# Altium PCB MB1019.PcbDoc (part 1 of 4) (continued)
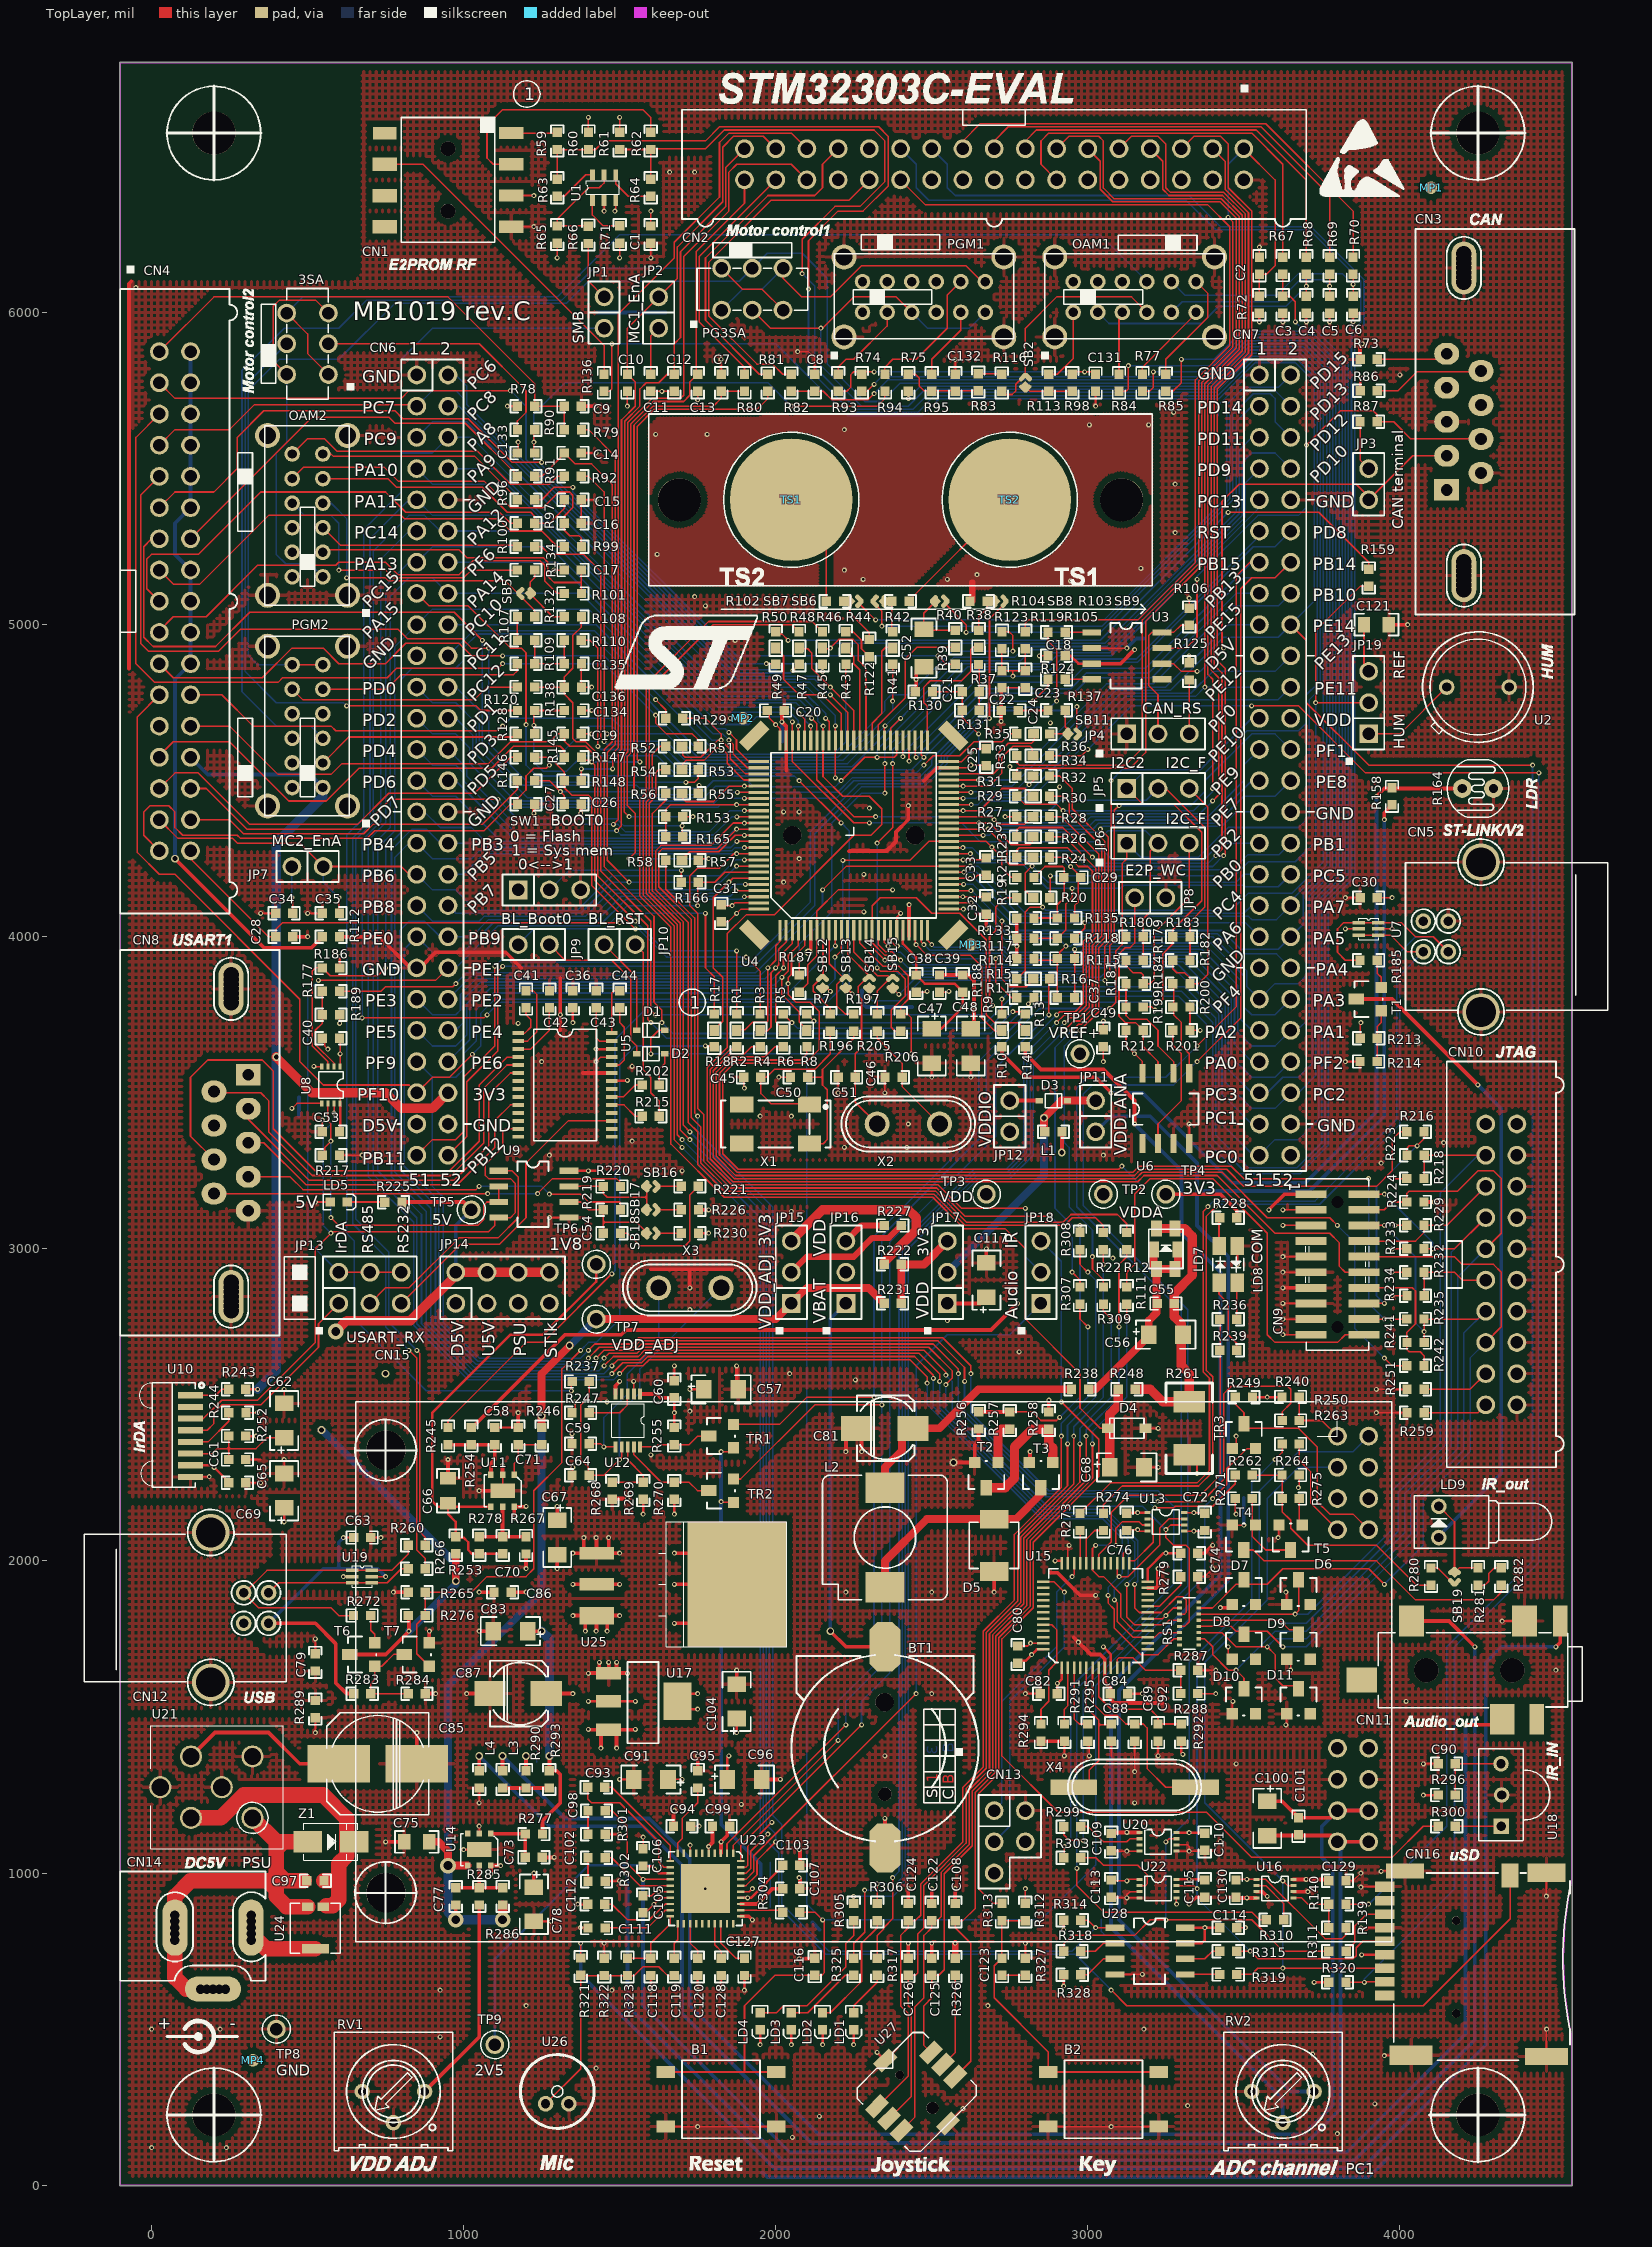
[diagram p0: TopLayer view]
## Components (designator, comment, footprint, x,y, rotation, side; value= is the part's Value field where it differs from the comment) (continued)
R11 "0" 0603R#1 2800,3805 r180 top
R12 "0" 0603R#1 3125,3025 r90 top
R13 "[N/A]" 0603R#1 2800,3725 r90 top
R14 "0" 0603R#1 2800,3675 r270 top
R15 "[N/A]" 0603R#1 2800,3865 r0 top
R16 "0" 0603R#1 2850,3865 r180 top
R17 "[N/A]" 0603R#1 1803,3725 r270 top
R18 "0" 0603R#1 1803,3675 r90 top
R19 "[N/A]" 0603R#1 2800,4125 r0 top
R20 "0" 0603R#1 2850,4125 r180 top
R21 "[N/A]" 0603R#1 2800,4190 r180 top
R22 "0" 0603R#1 3050,3025 r90 top
R23 "[N/A]" 0603R#1 2800,4255 r180 top
R24 "0" 0603R#1 2850,4255 r0 top
R25 "[N/A]" 0603R#1 2800,4320 r180 top
R26 "0" 0603R#1 2850,4320 r0 top
R27 "[N/A]" 0603R#1 2800,4385 r180 top
R28 "0" 0603R#1 2850,4385 r0 top
R29 "[N/A]" 0603R#1 2800,4450 r180 top
R30 "0" 0603R#1 2850,4450 r0 top
R31 "[N/A]" 0603R#1 2800,4515 r180 top
R32 "0" 0603R#1 2850,4515 r0 top
R33 "[N/A]" 0603R#1 2800,4580 r180 top
R34 "0" 0603R#1 2850,4580 r0 top
R35 "[N/A]" 0603R#1 2800.5,4650 r0 top
R36 "0" 0603R#1 2850,4650 r180 top
R37 "[N/A]" 0603R#1 2650,4900 r90 top
R38 "0" 0603R#1 2650,4955 r270 top
R39 "[N/A]" 0603R#1 2575,4900 r270 top
R40 "0" 0603R#1 2575,4955 r90 top
R41 "[N/A]" 0603R#1 2375,4900 r270 top
R42 "0" 0603R#1 2375,4950 r90 top
R43 "[N/A]" 0603R#1 2225,4900 r270 top
R44 "0" 0603R#1 2225,4950 r90 top
R45 "[N/A]" 0603R#1 2150,4900 r270 top
R46 "0" 0603R#1 2150,4950 r90 top
R47 "[N/A]" 0603R#1 2075,4900 r270 top
R48 "0" 0603R#1 2075,4950 r90 top
R49 "[N/A]" 0603R#1 2000,4900 r270 top
R50 "0" 0603R#1 2000,4950 r90 top
R51 "[N/A]" 0603R#1 1725,4610 r0 top
R52 "0" 0603R#1 1675,4610 r180 top
R53 "[N/A]" 0603R#1 1725,4535 r0 top
R54 "0" 0603R#1 1675,4535 r180 top
R55 "[N/A]" 0603R#1 1725,4460 r0 top
R56 "0" 0603R#1 1675,4460 r180 top
R57 "[N/A]" 0603R#1 1725,4245 r0 top
R58 "0" 0603R#1 1675,4245 r180 top
R59 "0" 0603R#1 1300,6550 r270 top
R60 "4K7" 0603R#1 1400,6550 r270 top
R61 "4K7" 0603R#1 1500,6550 r270 top
R62 "0" 0603R#1 1600,6550 r270 top
R63 "0" 0603R#1 1300,6400 r90 top
R64 "0" 0603R#1 1600,6400 r90 top
R65 "4K7" 0603R#1 1300,6250 r90 top
R66 "0" 0603R#1 1399,6249 r90 top
R67 "0" 0603R#1 3625,6150 r270 top
R68 "0" 0603R#1 3700,6150 r90 top
R69 "0" 0603R#1 3775,6150 r90 top
R70 "0" 0603R#1 3850,6150 r90 top
R71 "7K5[5%]" 0603R#1 1500,6250 r270 top
R72 "3.3K" 0603R#1 3550,6025 r90 top
R73 "0" 0603R#1 3900,5850 r180 top
R74 "0" 0603R#1 2275,5775 r270 top
R75 "0" 0603R#1 2425,5775 r270 top
R77 "0" 0603R#1 3175,5775 r270 top
R78 "3.3K" 0603R#1 1200,5700 r0 top
R79 "0" 0603R#1 1350,5625 r180 top
R80 "0" 0603R#1 1900,5775 r270 top
R81 "0" 0603R#1 1975,5775 r90 top
R82 "0" 0603R#1 2050,5775 r90 top
R83 "4.99K[1%]" 0603R#1 2649,5777 r90 top
R84 "0" 0603R#1 3100,5775 r270 top
R85 "0" 0603R#1 3250,5775 r90 top
R86 "[N/A]" 0603R#1 3900,5750 r180 top
R87 "120" 0603R#1 3900,5650 r0 top
R90 "4.99K[1%]" 0603R#1 1200,5625 r180 top
R91 "0" 0603R#1 1200,5475 r0 top
R92 "0" 0603R#1 1350,5475 r0 top
R93 "13K[1%]" 0603R#1 2200,5775 r270 top
R94 "13K[1%]" 0603R#1 2350,5775 r270 top
R95 "13K[1%]" 0603R#1 2500,5775 r270 top
R96 "0" 0603R#1 1200,5400 r0 top
R97 "0" 0603R#1 1200,5325 r180 top
R98 "4.99K[1%]" 0603R#1 2950,5775 r270 top
R99 "0" 0603R#1 1350,5250 r180 top
R100 "0" 0603R#1 1200,5250 r0 top
R101 "0" 0603R#1 1350,5100 r180 top
R102 "10K" 0603R#1 2190,5075 r0 top
R103 "2K2" 0603R#1 2650,5075 r0 top
R104 "10K" 0603R#1 2400,5075 r180 top
R105 "0" 0603R#1 2900,4975 r0 top
R106 "10K" 0603R#1 3325,5025 r270 top
R107 "4.99K[1%]" 0603R#1 1200,4950 r180 top
R108 "4.99K[1%]" 0603R#1 1350,5025 r180 top
R109 "13K[1%]" 0603R#1 1200,4875 r0 top
R110 "0" 0603R#1 1350,4950 r0 top
R111 "0" 0603R#1 3125,2850 r270 top
R112 "0" 0603R#1 575,4000 r0 top
R113 "0" 0603R#1 2875,5775 r270 top
R114 "[N/A]" 0603R#1 2800,3930 r180 top
R115 "[N/A]" 0603R#1 2930,3930 r0 top
R116 "0" 0603R#1 2725,5775 r90 top
R117 "[N/A]" 0603R#1 2800,3995 r180 top
R118 "[N/A]" 0603R#1 2930,3995 r0 top
R119 "0" 0603R#1 2800,4950 r270 top
R120 "13K[1%]" 0603R#1 1200,4800 r0 top
R122 "0" 0603R#1 2300,4925 r90 top
R123 "[N/A]" 0603R#1 2725,4950 r270 top
R124 "0" 0603R#1 2900,4825 r180 top
R125 "0" 0603R#1 3325,4850 r270 top
R128 "13K[1%]" 0603R#1 1200,4650 r0 top
R129 "0" 0603R#1 1675,4700 r180 top
R130 "[N/A]" 0603R#1 2475,4785 r180 top
R131 "[N/A]" 0603R#1 2625,4725 r0 top
R132 "0" 0603R#1 1200,5025 r180 top
R133 "[N/A]" 0603R#1 2800,4060 r180 top
R134 "0" 0603R#1 1200,5175 r0 top
R135 "[N/A]" 0603R#1 2930,4060 r0 top
R136 "0" 0603R#2 1450,5775 r270 top
R137 "0" 0603R#1 2900,4725 r0 top
R138 "4.99K[1%]" 0603R#1 1200,4725 r180 top
R139 "10K" 0603R#2 3800,825 r180 top
R140 "0" 0603R#2 3800,900 r180 top
R145 "N/A" 0603R#1 1200,4575 r180 top
R146 "[N/A]" 0603R#1 1200,4500 r0 top
R147 "N/A" 0603R#1 1350,4575 r180 top
R148 "0" 0603R#1 1350,4500 r0 top
R153 "0" 0603R#1 1675,4385 r180 top
R158 "8.2K" 0603R#1 3975,4450 r90 top
R159 "82.5K[1%]" 0603R#1 3900,5150 r270 top
R164 "VT9ON1" PVT901 4250,4475 r270 top
R165 "[N/A]" 0603R#1 1675,4320 r180 top
R166 "10K" 0603R#1 1725,4175 r0 top
R177 "0" 0603R#1 575,3825 r180 top
R179 "N/A" 0603R#1 3150,3925 r180 top
R180 "N/A" 0603R#1 3150,4000 r180 top
R181 "0" 0603R#1 3150,3850 r180 top
R182 "N/A" 0603R#1 3300,3925 r180 top
R183 "N/A" 0603R#1 3300,4000 r180 top
R184 "0" 0603R#1 3300,3850 r180 top
R185 "1.5K" 0603R#1 3900,3925 r0 top
R186 "100K" 0603R#1 575,3900 r180 top
R187 "820" 0603R#1 2075,3850 r270 top
R188 "0" 0603R#1 2600,3850 r90 top
R189 "100K" 0603R#1 575,3750 r180 top
R196 "0" 0603R#1 2175,3725 r270 top
R197 "0" 0603R#1 2250,3725 r270 top
R199 "1.8K" 0603R#1 3150,3775 r180 top
R200 "1.8K" 0603R#1 3300,3775 r180 top
R201 "0" 0603R#1 3300,3700 r0 top
R202 "510" 0603R#1 1600,3525 r0 top
R205 "0" 0603R#1 2325,3725 r90 top
R206 "820" 0603R#1 2400,3725 r270 top
R212 "10K" 0603R#1 3150,3700 r180 top
R213 "10K" 0603R#1 3900,3675 r180 top
R214 "36K" 0603R#1 3900,3600 r0 top
R215 "0" 0603R#1 1600,3425 r0 top
R216 "0" 0603R#1 4050,3375 r0 top
R217 "10K" 0603R#1 575,3300 r0 top
R218 "[N/A]" 0603R#1 4050,3225 r0 top
R219 "0" 0603R#1 1475,3125 r180 top
R220 "0" 0603R#1 1475,3200 r180 top
R221 "120" 0603R#1 1725,3200 r0 top
R222 "0" 0603R#1 2375,2950 r0 top
R223 "[N/A]" 0603R#1 4050,3300 r180 top
R224 "[N/A]" 0603R#1 4050,3150 r0 top
R225 "1K" 0603R#1 775,3150 r180 top
R226 "22K" 0603R#1 1725,3125 r180 top
R227 "0" 0603R#1 2375,3075 r180 top
R228 "0" 0603R#1 3450,3100 r180 top
R229 "[N/A]" 0603R#1 4050,3075 r0 top
R230 "22K" 0603R#1 1725,3050 r180 top
R231 "[N/A]" 0603R#1 2375,2825 r0 top
R232 "[N/A]" 0603R#1 4050,2925 r0 top
R233 "[N/A]" 0603R#1 4050,3000 r0 top
R234 "10K" 0603R#1 4050,2850 r180 top
R235 "[N/A]" 0603R#1 4050,2775 r0 top
R236 "100" 0603R#1 3450,2775 r180 top
R237 "0" 0603R#1 1375,2575 r180 top
R238 "0" 0603R#1 2975,2550 r180 top
R239 "100" 0603R#1 3450,2675 r180 top
R240 "10K" 0603R#1 3650,2525 r0 top
R241 "[N/A]" 0603R#1 4050,2700 r180 top
R242 "0" 0603R#1 4050,2625 r0 top
R243 "5" 0603R#1 275,2550 r0 top
R244 "0" 0603R#1 275,2475 r180 top
R245 "[N/A]" 0603R#1 950,2400 r90 top
R246 "1K" 0603R#1 1250,2400 r270 top
R247 "0" 0603R#1 1375,2475 r0 top
R248 "10K" 0603R#1 3125,2550 r180 top
R249 "4K7" 0603R#1 3500,2525 r180 top
R250 "0" 0603R#1 3650,2450 r180 top
R251 "10K" 0603R#1 4050,2550 r180 top
R252 "47" 0603R#1 275,2400 r0 top
R253 "[N/A]" 0603R#1 975,2050 r270 top
R254 "[N/A]" 0603R#1 1025,2400 r90 top
R255 "10K" 0603R#1 1675,2400 r90 top
R256 "1K" 0603R#1 2650,2450 r270 top
R257 "0" 0603R#1 2750,2450 r90 top
R258 "180" 0603R#1 2875,2450 r90 top
R259 "10K" 0603R#1 4050,2475 r180 top
R260 "0" 0603R#1 850,2050 r0 top
R261 "10[0.5W]" 2010R 3325,2425 r270 top
R262 "0" 0603R#1 3500,2275 r0 top
R263 "270" 0603R#1 3650,2375 r180 top
R264 "10K" 0603R#1 3650,2275 r0 top
R265 "[N/A]" 0603R#1 850,1900 r180 top
R266 "0" 0603R#1 850,1975 r0 top
R267 "31.6K[1%]" 0603R#1 1200,2050 r90 top
R268 "0" 0603R#1 1476,2225 r270 top
R269 "10K" 0603R#1 1576,2225 r270 top
R270 "10K" 0603R#1 1675,2225 r270 top
R271 "2K2" 0603R#1 3500,2200 r0 top
R272 "1.5K" 0603R#1 675,1825 r0 top
R273 "0" 0603R#1 2975,2125 r270 top
R274 "0" 0603R#1 3050,2125 r270 top
R275 "1K" 0603R#1 3650,2200 r180 top
R276 "47K" 0603R#1 850,1825 r0 top
R277 "4K7" 0603R#1 1225,1125 r180 top
R278 "15K[1%]" 0603R#1 1050,2050 r270 top
R279 "100K" 0603R#1 3325,1950 r180 top
R280 "100" 0603R#1 4100,1950 r90 top
R281 "0" 0603R#1 4250,1950 r270 top
R282 "22" 0603R#1 4325,1950 r270 top
R283 "10K" 0603R#1 675,1575 r180 top
R284 "36K" 0603R#1 850,1575 r180 top
R285 "31.6K[1%]" 0603R#1 1050,925 r90 top
R286 "59K[1%]" 0603R#1 1125,925 r270 top
R287 "4K7" 0603R#1 3325,1650 r180 top
R288 "4K7" 0603R#1 3325,1575 r0 top
R289 "1M" 0603R#1 525,1525 r270 top
R290 "0" 0603R#1 1200,1300 r90 top
R291 "10K" 0603R#1 2925,1450 r270 top
R292 "100K" 0603R#1 3300,1450 r90 top
R293 "[N/A]" 0603R#1 1275,1300 r90 top
R294 "100K" 0603R#1 2850,1450 r270 top
R295 "[N/A]" 0603R#1 3000,1450 r270 top
R296 "100" 0603R#1 4150,1250 r0 top
R299 "0" 0603R#1 2950,1149 r180 top
R300 "0" 0603R#1 4150,1150 r180 top
R301 "51" 0603R#1 1426,1124 r0 top
R302 "51" 0603R#1 1426,974 r0 top
R303 "0" 0603R#1 2950,1049 r0 top
R304 "0" 0603R#1 2050,875 r180 top
R305 "680" 0603R#1 2250,875 r90 top
R306 "680" 0603R#1 2325,875 r90 top
R307 "0" 0603R#1 2975,2850 r270 top
R308 "0" 0603R#1 2975,3025 r270 top
R309 "0" 0603R#1 3050,2850 r270 top
R310 "0" 0603R#1 3600,850 r0 top
R311 "0" 0603R#1 3800,750 r180 top
R312 "10K" 0603R#1 2800,875 r270 top
R313 "10K" 0603R#1 2725,875 r270 top
R314 "10K" 0603R#1 2950,849 r180 top
R315 "0" 0603R#1 3450,750 r180 top
R317 "510" 0603R#1 2325,700 r90 top
R318 "0" 0603R#1 2950,749 r0 top
R319 "0" 0603R#1 3450,675 r180 top
R320 "10K" 0603R#1 3800,650 r0 top
R321 "0" 0603R#1 1375,700 r270 top
R322 "100K" 0603R#1 1450,699 r270 top
R323 "2K2" 0603R#1 1525,699 r270 top
R325 "680" 0603R#1 2250,700 r90 top
R326 "100" 0603R#1 2575,700 r90 top
R327 "100" 0603R#1 2800,700 r90 top
R328 "0" 0603R#1 2950,674 r180 top
RS1 "22" RES8B_0402 3325,1800 r270 top
RV1 "3386P-503H[5%]" 3296W 775,300 r180 top
RV2 "10K" 3296W 3625,300 r180 top
SB2 "" JP2_SMD 2800,5775 r270 top
SB5 "" JP2_SMD 1200,5100 r0 top
SB6 "" JP2_SMD 2335,5075 r0 top
SB7 "" JP2_SMD 2250,5075 r180 top
SB8 "" JP2_SMD 2525,5075 r180 top
SB9 "" JP2_SMD 2715,5075 r180 top
SB11 "" JP2_SMD 2950,4650 r180 top
SB12 "" JP2_SMD 2150,3850 r270 top
SB13 "" JP2_SMD 2225,3850 r270 top
SB14 "" JP2_SMD 2300,3850 r270 top
SB15 "" JP2_SMD 2375,3850 r270 top
SB16 "" JP2_SMD 1600,3200 r180 top
SB17 "" JP2_SMD 1600,3125 r180 top
SB18 "" JP2_SMD 1600,3050 r180 top
SB19 "" JP2_SMD 4175,1950 r90 top
SW1 "09.03290.01" SIP3 1175,4150 r0 top
T1 "9013" SOT-23 3900,3800 r0 top
T2 "FDN327N" SOT-23 2675,2275 r90 top
T3 "irlml6302" SOT-23 2850,2275 r90 top
T4 "9013" SOT-23 3500,2075 r90 top
T5 "9013" SOT-23 3650,2075 r90 top
T6 "9013" SOT-23 675,1700 r0 top
T7 "9013" SOT-23 850,1700 r0 top
TP1 "VREF" TP 2975,3625 r0 top
TP2 "VDDA" TP 3050,3175 r0 top
TP3 "VDD" TP 2675,3175 r0 top
TP4 "+3V3" TP 3250,3175 r0 top
TP5 "5V" TP 1025,3125 r0 top
TP6 "+1V8" TP 1425,2950 r0 top
TP7 "VDD_ADJ" TP 1425,2775 r0 top
TP8 "Ground" TP 400,500 r0 top
TP9 "2V5" TP 1100,450 r0 top
TR1 "FDN327N" SOT-23 1825,2400 r0 top
TR2 "FDN327N" SOT-23 1825,2225 r0 top
TR3 "BSN20" SOT-23 3500,2400 r270 top
TS1 "TS_PAD" TS_PAD 2050,5400 r0 top
TS2 "TS_PAD" TS_PAD 2750,5400 r0 top
U1 "STTS751-0WB3F" SOT23-6L 1450,6400 r0 top
U2 "HS1101LF" HS1101LF 4250,4800 r180 top
U3 "SN65HVD230" SO8 3125,4900 r270 top
U4 "STM32F303VCT6" IC149-100-025-B5 2250,4325 r0 top locked
U5 "ST3241EBPR" SSOP28 1325,3525 r0 top
U6 "M24M01-HRMN6T" SO8 3250,3450 r0 top
U7 "USBLC6-2P6 (optional)" SOT-666 3900,4025 r270 top
U8 "SN74LVC2T45DCUT" VSSOP8 575,3525 r270 top
U9 "ST3485EBDR" SO8 1225,3175 r270 top
U10 "TFDU6300" IR_VISHAY3 125,2400 r90 top
U11 "ST1L05BPUR" DFN6(3X3) 1125,2225 r180 top
U12 "CS2200-CP" MSOP10(0.5) 1526,2450 r180 top
U13 "SN74LVC2T45DCUT" VSSOP8 3250,2125 r0 top
U14 "ST1L05BPUR" DFN6(3X3) 1050,1075 r180 top
U15 "STM32F103C8T6" LQFP48 3025,1825 r0 top
U16 "SN74LVC2T45DCUT" VSSOP8 3600,950 r0 top
U17 "LD1117S25TR" SOT-223 1575,1550 r180 top
U18 "TSOP34836" TSOP348 4325,1150 r90 top
U19 "USBLC6-2P6 (optional)" SOT-666 675,1950 r270 top
U20 "SN74LVC2T45DCUT" VSSOP8 3225,1100 r0 top
U21 "BNX002-01" BNX001 225,1275 r180 top
U22 "SN74LVC2T45DCUT" VSSOP8 3225,950 r0 top
U23 "CS42L52" QFN40(6*6) 1775,950 r270 top
U24 "ZEN056V130A24LS" polyzen 525,825 r270 top
U25 "LD1086D2M33" D2PAK/A 1875,1925 r0 top
U26 "KECG2740TBL[N/A]" KEC2740 1300,300 r90 top
U27 "MT008-A" JOY 2450,300 r315 top
U28 "M95M01-RMN6TP" SO8 3200,750 r270 top
X1 "CM200C32.768KDZF" SM8 2000,3400 r180 top
X2 "ESA8.00000F20D25F(with socket)" XTAL_socket 2425,3400 r0 top
X3 "[N/A]" XTAL_socket 1725,2875 r0 top
X4 "8MHz" SMT_XTAL 3150,1275 r180 top
Z1 "SMAJ5.0A-TR" 1R1C 575,1100 r180 top

## Footprints (in the part's own frame and the unit in brackets; to place one, negate y for a bottom-side part, rotate by r counter-clockwise, add the part's x,y. Pads: shape width x height; smd on the part's side, far side on the other; paste and mask are expansions set on the pad)
1R1C [mm]
  rect 2.3x1.75 smd: 1(1.9,0) 2(-1.9,0)
  silkscreen extent -2.2,-1.5 2.2,1.5
2*3P#1 [mil]
  round 60 hole 40: 1(0,0) 2(100,0) 3(0,-100) 4(100,-100) 5(0,-200)
  silkscreen extent -50,-250 150,50
2*3P#2 [mil]
  round 60 hole 40: 1(0,0) 2(100,0) 3(0,-100) 4(100,-100) 5(0,-200) 6(100,-200)
  silkscreen extent -50,-250 150,50
2*4P [mil]
  round 60 hole 40: 1(0,0) 2(100,0) 3(0,-100) 4(100,-100) 5(0,-200) 6(100,-200) 7(0,-300) 8(100,-300)
  silkscreen extent -50,-350 150,50
2*26P [mil]
  round 60 hole 40: 1(0,0) 2(100,0) 3(0,-100) 4(100,-100) 5(0,-200) 6(100,-200) 7(0,-300) 8(100,-300) 9(0,-400) 10(100,-400) 11(0,-500) 12(100,-500) 13(0,-600) 14(100,-600) 15(0,-700) 16(100,-700) 17(0,-800) 18(100,-800) 19(0,-900) 20(100,-900) 21(0,-1000) 22(100,-1000) 23(0,-1100) 24(100,-1100) 25(0,-1200) 26(100,-1200) 27(0,-1300) 28(100,-1300) 29(0,-1400) 30(100,-1400) 31(0,-1500) 32(100,-1500) 33(0,-1600) 34(100,-1600) 35(0,-1700) 36(100,-1700) 37(0,-1800) 38(100,-1800) 39(0,-1900) 40(100,-1900) 41(0,-2000) 42(100,-2000) 43(0,-2100) 44(100,-2100) 45(0,-2200) 46(100,-2200) 47(0,-2300) 48(100,-2300) 49(0,-2400) 50(100,-2400) 51(0,-2500) 52(100,-2500)
  silkscreen extent -50,-2550 150,50
0603C [mil]
  rect 30x30 smd: 1(27.5,0) 2(-27.5,0)
  silkscreen extent -50,-20 50,20
0603D [mil]
  rect 30x30 smd: 1(27.5,0) 2(-27.5,0)
  silkscreen extent -50,-25 55,25
0603L [mil]
  rect 30x30 smd: 1(27.5,0) 2(-27.5,0)
  silkscreen extent -50,-20 50,20
0603R#1 [mil]
  rect 30x30 smd: 1(27.38,0.16) 2(-27.62,0.16)
  silkscreen extent -50,-20 50,20
0603R#2 [mil]
  rect 30x30 smd: 1(27.5,0) 2(-27.5,0)
  silkscreen extent -50,-20 50,20
0805C [mil]
  rect 40x50 smd: 1(40,0) 2(-40,0)
  silkscreen extent -70,-35 70,35
1206C [mil]
  rect 50x60 smd: 1(60,0) 2(-60,0)
  silkscreen extent -95,-40 95,40
2010R [mil]
  rect 70x100 smd: 1(85,0) 2(-85,0)
  silkscreen extent -145,-75 145,75
3296W [mil]
  round 50 hole 28: 1(-100,0) 2(0,100) 3(100,0)
  silkscreen extent -190,-190 190,190
BNX001 [mm]
  round 1.8 hole 1.4: 1(2.5,2.5) 2(-2.5,2.5) 3(2.5,-2.5) 4(0,0) 5(5,0) 6(-2.5,-2.5)
  silkscreen extent -5,-5 5.76,5
C200M [mil]
  rect 100x80 smd paste-23.62 mask-23.62: 1(90,0)
  rect 100x80 smd paste-19.68 mask-19.68: 2(-90,0)
  silkscreen extent -90,-105 95,105
C310M [mil]
  rect 200x120 smd mask-23.62: 1(125,0) 2(-125,0)
  silkscreen extent -163,-163 163,163
D0.1L [mil]
  round 50 hole 30: 1(-50,0) 2(50,0)
  silkscreen extent -84,-361 84,79
D2PAK/A [mm]
  rect 2.8x1 smd: 1(-11.4,2.54) 2(-11.4,0)
  rect 8x10.2 smd: 2(0,0)
  rect 2.8x1.42 smd: 3(-11.4,-2.54)
  silkscreen extent -6.35,-5.08 4.06,5.08
DB9/M [mil]
  round 50 hole 50: 0(-538,55) 0(-523,55) 0(-508,55) 0(-493,55) 0(-478,55) 0(-463,55) 0(-448,55) 0(448,55) 0(463,55) 0(478,55) 0(493,55) 0(508,55) 0(523,55) 0(538,55)
  oval 170x80 hole 50: 0(-493,55) 0(493,55)
  rect 70x80 hole 38: 1(218,0)
  oval 70x80 hole 38: 2(109,0) 3(0,0) 4(-109,0) 5(-218,0) 6(164,110) 7(55,110) 8(-54,110) 9(-163,110)
  silkscreen extent -618,-100 618,410
DC10B [mil]
  round 45 hole 30: 1(244.09,-40) 1(244.09,-20) 1(244.09,20) 1(244.09,40) 2(82.05,-196.85) 2(102.05,-196.85) 2(142.05,-196.85) 2(162.05,-196.85) 3(0,-40) 3(0,-20) 3(0,20) 3(0,40)
  oval 80x180 hole 30: 1(244.1,0) 3(0,0)
  oval 180x80 hole 30: 2(122.05,-196.85)
  silkscreen extent -175,-170 290,180
DFN6(3X3) [mm]
  rect 2x1.2 smd: 0(0,0)
  rect 0.45x0.5 smd: 1(-0.95,-1.3) 2(0,-1.3) 3(0.95,-1.3) 4(0.95,1.3) 5(0,1.3) 6(-0.95,1.3)
  silkscreen extent -1.5,-1.3 1.5,1.3
FTSH-110-01-L-DV [mil]
  round 25 hole 38 unplated: 0(-200,0) 0(200,0)
  rect 25x100 smd: 1(-225,-85) 2(-225,85) 3(-175,-85) 4(-175,85) 5(-125,-85) 6(-125,85) 7(-75,-85) 8(-75,85) 9(-25,-85) 10(-25,85) 11(25,-85) 12(25,85) 13(75,-85) 14(75,85) 15(125,-85) 16(125,85) 17(175,-85) 18(175,85) 19(225,-85) 20(225,85)
  silkscreen extent -275,-102 275,102
HS1101LF [mil]
  round 50 hole 30: 1(100,0) 2(-100,0)
  silkscreen extent -177,-177 177,177
IC149-100-025-B5 [mm]
  rect 1x2.5 smd rot 45: 0(-8.1,-8.1) 0(8.1,8.1)
  rect 1x2.5 smd rot 135: 0(-8.1,8.1) 0(8.1,-8.1)
  round 1.5 hole 1.5 unplated: 0(-5,0) 0(5,0)
  rect 0.25x1.65 smd: 1(-6,-7.725) 2(-5.5,-7.725) 3(-5,-7.725) 4(-4.5,-7.725) 5(-4,-7.725) 6(-3.5,-7.725) 7(-3,-7.725) 8(-2.5,-7.725) 9(-2,-7.725) 10(-1.5,-7.725) 11(-1,-7.725) 12(-0.5,-7.725) 13(0,-7.725) 14(0.5,-7.725) 15(1,-7.725) 16(1.5,-7.725) 17(2,-7.725) 18(2.5,-7.725) 19(3,-7.725) 20(3.5,-7.725) 21(4,-7.725) 22(4.5,-7.725) 23(5,-7.725) 24(5.5,-7.725) 25(6,-7.725) 51(6,7.725) 52(5.5,7.725) 53(5,7.725) 54(4.5,7.725) 55(4,7.725) 56(3.5,7.725) 57(3,7.725) 58(2.5,7.725) 59(2,7.725) 60(1.5,7.725) 61(1,7.725) 62(0.5,7.725) 63(0,7.725) 64(-0.5,7.725) 65(-1,7.725) 66(-1.5,7.725) 67(-2,7.725) 68(-2.5,7.725) 69(-3,7.725) 70(-3.5,7.725) 71(-4,7.725) 72(-4.5,7.725) 73(-5,7.725) 74(-5.5,7.725) 75(-6,7.725)
  rect 1.65x0.25 smd: 26(7.725,-6) 27(7.725,-5.5) 28(7.725,-5) 29(7.725,-4.5) 30(7.725,-4) 31(7.725,-3.5) 32(7.725,-3) 33(7.725,-2.5) 34(7.725,-2) 35(7.725,-1.5) 36(7.725,-1) 37(7.725,-0.5) 38(7.725,0) 39(7.725,0.5) 40(7.725,1) 41(7.725,1.5) 42(7.725,2) 43(7.725,2.5) 44(7.725,3) 45(7.725,3.5) 46(7.725,4) 47(7.725,4.5) 48(7.725,5) 49(7.725,5.5) 50(7.725,6) 76(-7.725,6) 77(-7.725,5.5) 78(-7.725,5) 79(-7.725,4.5) 80(-7.725,4) 81(-7.725,3.5) 82(-7.725,3) 83(-7.725,2.5) 84(-7.725,2) 85(-7.725,1.5) 86(-7.725,1) 87(-7.725,0.5) 88(-7.725,0) 89(-7.725,-0.5) 90(-7.725,-1) 91(-7.725,-1.5) 92(-7.725,-2) 93(-7.725,-2.5) 94(-7.725,-3) 95(-7.725,-3.5) 96(-7.725,-4) 97(-7.725,-4.5) 98(-7.725,-5) 99(-7.725,-5.5) 100(-7.725,-6)
  silkscreen extent -6.73,-6.73 6.73,6.73
IDC20S [mil]
  round 60 hole 40: 1(0,0) 2(100,0) 3(0,-100) 4(100,-100) 5(0,-200) 6(100,-200) 7(0,-300) 8(100,-300) 9(0,-400) 10(100,-400) 11(0,-500) 12(100,-500) 13(0,-600) 14(100,-600) 15(0,-700) 16(100,-700) 17(0,-800) 18(100,-800) 19(0,-900) 20(100,-900)
  silkscreen extent -125,-1100 250,200
IDC34S [mil]
  round 60 hole 40: 1(0,0) 2(100,0) 3(0,-100) 4(100,-100) 5(0,-200) 6(100,-200) 7(0,-300) 8(100,-300) 9(0,-400) 10(100,-400) 11(0,-500) 12(100,-500) 13(0,-600) 14(100,-600) 15(0,-700) 16(100,-700) 17(0,-800) 18(100,-800) 19(0,-900) 20(100,-900) 21(0,-1000) 22(100,-1000) 23(0,-1100) 24(100,-1100) 25(0,-1200) 26(100,-1200) 27(0,-1300) 28(100,-1300) 29(0,-1400) 30(100,-1400) 31(0,-1500) 32(100,-1500) 33(0,-1600) 34(100,-1600)
  silkscreen extent -125,-1800 250,200
IR_VISHAY3 [mm]
  rect 0.5x2 smd: 1(3.325,0) 2(2.375,0) 3(1.425,0) 4(0.475,0) 5(-0.475,0) 6(-1.425,0) 7(-2.375,0) 8(-3.325,0)
  silkscreen extent -4.18,-1.1 4.33,4.17
JOY [mil]
  rect 40x70 smd: 0(-140,0) 0(145,0) 1(-55.12,-122.05) 2(0,-122.05) 3(55.12,-122.05) 4(55.12,122.05) 5(0,122.05) 6(-55.12,122.05)
  round 27.56 hole 27.56 unplated: G(-74.8,0)
  round 39.37 hole 39.37 unplated: G(74.8,0)
  silkscreen extent -141,-150 146,150
JP2_SMD [mil]
  oct 15x30 smd rot 45: 1(-18,-8) 2(18,7)
  oct 15.75x30 smd rot 135: 1(-18,8)
  rect 26x26 smd rot 45: 2(13,0)
  oct 15x30 smd rot 135: 2(18,-7)
KEC2740 [mm]
  round 1.27 hole 0.762: 1(-1,-0.95) 2(-1,0.95)
  silkscreen extent -3,-3 3,3
LED2-28*32 [mm]
  rect 1.1x1.5 smd: 1(-0.75,-1.5) 2(-0.75,1.5) 3(0.75,1.5) 4(0.75,-1.5)
  silkscreen extent -1.27,-0.64 1.27,0.64
LI1220_1 [mm]
  round 1.1 hole 1.1 unplated: 0(-3.75,0)
  round 1.5 hole 1.5 unplated: 0(3.75,0.025)
  oct 4x2.5 smd: 1(8.255,0) 2(-8.128,0)
  silkscreen extent -7.57,-7.62 7.57,7.62
LQFP48 [mm]
  rect 0.2x1 smd: 1(-2.75,-4.25) 2(-2.25,-4.25) 3(-1.75,-4.25) 4(-1.25,-4.25) 5(-0.75,-4.25) 6(-0.25,-4.25) 7(0.25,-4.25) 8(0.75,-4.25) 9(1.25,-4.25) 10(1.75,-4.25) 11(2.25,-4.25) 12(2.75,-4.25) 25(2.75,4.25) 26(2.25,4.25) 27(1.75,4.25) 28(1.25,4.25) 29(0.75,4.25) 30(0.25,4.25) 31(-0.25,4.25) 32(-0.75,4.25) 33(-1.25,4.25) 34(-1.75,4.25) 35(-2.25,4.25) 36(-2.75,4.25)
  rect 1x0.2 smd: 13(4.25,-2.75) 14(4.25,-2.25) 15(4.25,-1.75) 16(4.25,-1.25) 17(4.25,-0.75) 18(4.25,-0.25) 19(4.25,0.25) 20(4.25,0.75) 21(4.25,1.25) 22(4.25,1.75) 23(4.25,2.25) 24(4.25,2.75) 37(-4.25,2.75) 38(-4.25,2.25) 39(-4.25,1.75) 40(-4.25,1.25) 41(-4.25,0.75) 42(-4.25,0.25) 43(-4.25,-0.25) 44(-4.25,-0.75) 45(-4.25,-1.25) 46(-4.25,-1.75) 47(-4.25,-2.25) 48(-4.25,-2.75)
  silkscreen extent -3.81,-3.81 3.81,3.81
markpoint_1.0 [mil]
  round 40 smd: 0(0,0)
MB895CS [mil]
  round 125.98 hole 125.98 unplated: 0(-3048.94,-1462.72) 0(-3048.94,-45)
  round 60 hole 40: 1(0,0) 2(100,0) 3(0,-100) 4(100,-100) 5(0,-200) 6(100,-200) 7(0,-300) 8(100,-300) 9(0,-1000) 10(100,-1000) 11(0,-1100) 12(100,-1100) 13(0,-1200) 14(100,-1200) 15(0,-1300) 16(100,-1300)
  silkscreen extent -3148,-1620 174,110
MS22D16 [mil]
  round 60 hole 40: 1(-98.43,-66.93) 2(0,-66.93) 3(98.43,-66.93) 4(-98.43,66.93) 5(0,66.93) 6(98.43,66.93)
  silkscreen extent -177,-67 177,149
MSD(PJS008) [mm]
  rect 1.4x3.5 smd: 0(-3.503,-7.357)
  rect 1.6x3.5 smd: 0(-3.4,3.65)
  rect 1.5x3.1 smd: 0(11.45,-7.35)
  rect 1.2x3.1 smd: 0(11.6,4.15)
  rect 0.8x1.6 smd: 1(1.475,5.8) 2(2.575,5.8) 3(3.675,5.8) 4(4.775,5.8) 5(5.875,5.8) 6(6.975,5.8) 7(8.075,5.8) 8(9.175,5.8)
  rect 0.85x1.6 smd: 9(10.325,5.8)
  rect 1.95x1.4 smd: 10(11.225,-4.4)
  round 0.7 hole 0.7 unplated: g(0,0) g(7.55,0)
  silkscreen extent -3.81,-9.28 11.43,5.07
MSOP10(0.5) [mm]
  rect 0.3x0.9 smd: 1(-1,-2.151) 2(-0.5,-2.151) 3(0,-2.151) 4(0.5,-2.151) 5(1,-2.151) 6(1,2.151) 7(0.5,2.151) 8(0,2.151) 9(-0.5,2.151) 10(-1,2.151)
  silkscreen extent -1.35,-1.36 1.32,1.36
PB10 [mm]
  rect 1.5x1 smd paste+0.381 mask+0: 1(-4.5,-2.222) 2(-4.5,2.222) 3(4.5,2.222) 4(4.5,-2.222)
  silkscreen extent -3.17,-3.17 3.17,3.17
PJ3028B [mm]
  rect 1.2x2.5 smd: 2(-3.9,-4) 7(-2,4)
  rect 2x2.5 smd: 3(-1,-4) 4(0.8,4) 6(8.2,-4)
  rect 2.5x2 smd: 5(12.25,0.8)
  round 2 hole 2 unplated: G1(0,0) G2(7,0)
  silkscreen extent -5.71,-3.05 10.92,3.05
PLCC4 [mm]
  rect 0.9x1.3 smd: 1(-0.75,-1.65) 2(0.75,-1.65) 3(-1,-0.05) 4(1,-0.05) 5(-0.75,1.65) 6(0.75,1.65)
  silkscreen extent -1.4,-1.6 1.4,1.6
polyzen [mm]
  rect 0.8x2.21 smd: 1(1.714,0)
  rect 0.7x0.94 smd: 2(-1.714,-0.635) 3(-1.714,0.635)
  silkscreen extent -1.97,-2.03 2.1,2.03
PVT901 [mil]
  round 60 hole 30: 1(0,50) 2(0,-50)
  silkscreen extent -92,-98 92,98
QFN40(6*6) [mm]
  rect 4x4 smd: 0(0,0)
  rect 0.6x0.2 smd: 1(-2.87,2.25) 2(-2.87,1.75) 3(-2.87,1.25) 4(-2.87,0.75) 5(-2.87,0.25) 6(-2.87,-0.25) 7(-2.87,-0.75) 8(-2.87,-1.25) 9(-2.87,-1.75) 10(-2.87,-2.25) 21(2.87,-2.25) 22(2.87,-1.75) 23(2.87,-1.25) 24(2.87,-0.75) 25(2.87,-0.25) 26(2.87,0.25) 27(2.87,0.75) 28(2.87,1.25) 29(2.87,1.75) 30(2.87,2.25)
  rect 0.2x0.6 smd: 11(-2.25,-2.87) 12(-1.75,-2.87) 13(-1.25,-2.87) 14(-0.75,-2.87) 15(-0.25,-2.87) 16(0.25,-2.87) 17(0.75,-2.87) 18(1.25,-2.87) 19(1.75,-2.87) 20(2.25,-2.87) 31(2.25,2.87) 32(1.75,2.87) 33(1.25,2.87) 34(0.75,2.87) 35(0.25,2.87) 36(-0.25,2.87) 37(-0.75,2.87) 38(-1.25,2.87) 39(-1.75,2.87) 40(-2.25,2.87)
  silkscreen extent -3,-3 3,3
RES8B_0402 [mil]
  rect 10x15 smd: 1(-68.9,-31) 2(-68.9,31) 3(-49.21,-31) 4(-49.21,31) 5(-29.53,-31) 6(-29.53,31) 7(-9.84,-31) 8(-9.84,31) 9(9.84,-31) 10(9.84,31) 11(29.53,-31) 12(29.53,31) 13(49.21,-31) 14(49.21,31) 15(68.9,-31) 16(68.9,31)
  silkscreen extent -83,-20 83,20
SIP2 [mil]
  round 60 hole 40: 1(0,0) 2(100,0)
  silkscreen extent -50,-50 150,50
SIP3 [mil]
  rect 60x60 hole 40: 1(0,0)
  round 60 hole 40: 2(100,0) 3(200,0)
  silkscreen extent -50,-50 250,50
SLF10145 [mm]
  rect 2.5x3.2 smd: 1(4.05,0) 2(-4.05,0)
  silkscreen extent -5.08,-5.08 5.08,5.08
SM8 [mm]
  rect 1.9x1.3 smd: 1(-2.75,-1.6) 2(2.75,-1.6) 3(2.75,1.6) 4(-2.75,1.6)
  silkscreen extent -4.44,-1.91 4.44,1.91
SMB [mm]
  rect 1.52x2.3 smd: 1(2.135,0) 2(-2.135,0)
  silkscreen extent -1.88,-2.02 1.88,2.02
SMT_XTAL [mil]
  rect 150x50 smd mask-11.81: 1(-195,0) 2(195,0)
  silkscreen extent -214,-89 214,89
SO8 [mil]
  rect 20x60 smd: 1(-75,-112.5) 2(-25,-112.5) 3(25,-112.5) 4(75,-112.5) 5(75,112.5) 6(25,112.5) 7(-25,112.5) 8(-75,112.5)
  silkscreen extent -105,-53 105,48
SOD-123 [mil]
  rect 38.19x30 smd: 1(60,0) 2(-60,0)
  silkscreen extent -55,-31 55,31
SOD-323 [mm]
  rect 0.6x0.45 smd: 1(1.143,0) 2(-1.143,0)
  silkscreen extent -0.67,-0.57 0.67,0.57
SOT23-6L [mm]
  rect 0.4x0.9 smd: 1(-0.95,-1.05) 2(0,-1.05) 3(0.95,-1.05) 4(0.95,1.05) 5(0,1.05) 6(-0.95,1.05)
  silkscreen extent -1.45,-0.55 1.25,0.55
SOT-23 [mil]
  rect 36x36 smd: 1(40,37.5) 2(40,-37.5)
  rect 50x36 smd: 3(-40,0.5)
  silkscreen extent -45,-58 45,58
SOT-223 [mil]
  rect 80x40 smd: 1(110,-90.55) 2(110,0) 3(110,90.55)
  rect 90x120 smd: 2(-110,0)
  silkscreen extent -50,-126 50,134
SOT-666 [mil]
  rect 11x40 smd: 1(-19.68,-31.3) 2(0,-31.3) 3(19.68,-31.3) 4(19.68,31.3) 5(0,31.3) 6(-19.68,31.3)
  silkscreen extent -35,-32 35,32
SS42D02 [mm]
  round 2.032 hole 1.397: 0(-6.5,3.25) 0(-6.5,-3.25) 0(6.5,-3.25) 0(6.5,3.25)
  round 1.27 hole 0.762: 1(-5,-1.25) 2(-3,-1.25) 3(-1,-1.25) 4(1,-1.25) 5(3,-1.25) 6(5,-1.25) 7(1,1.25) 8(3,1.25) 9(5,1.25) 10(-5,1.25) 11(-3,1.25) 12(-1,1.25)
  silkscreen extent -7.3,-3.4 7.3,3.5
SSM-104-L-DH [mm]
  round 1.2 hole 1.2 unplated: 0(0,-2.54) 0(0,2.54)
  rect 2x1 smd: 1(5.143,3.81) 3(5.143,1.27) 5(5.143,-1.27) 7(5.143,-3.81)
  rect 1.905x1.016 smd: 2(-5.143,3.81)
  rect 2x1.1 smd: 4(-5.143,1.27) 6(-5.143,-1.27) 8(-5.143,-3.81)
  silkscreen extent -3.81,-5.08 3.87,5.08
SSOP28 [mm]
  rect 0.95x0.3 smd: 1(-3.8,4.225) 2(-3.8,3.575) 3(-3.8,2.925) 4(-3.8,2.275) 5(-3.8,1.625) 6(-3.8,0.975) 7(-3.8,0.325) 8(-3.8,-0.325) 9(-3.8,-0.975) 10(-3.8,-1.625) 11(-3.8,-2.275) 12(-3.8,-2.925) 13(-3.8,-3.575) 14(-3.8,-4.225) 15(3.8,-4.225) 16(3.8,-3.575) 17(3.8,-2.925) 18(3.8,-2.275) 19(3.8,-1.625) 20(3.8,-0.975) 21(3.8,-0.325) 22(3.8,0.325) 23(3.8,0.975) 24(3.8,1.625) 25(3.8,2.275) 26(3.8,2.925) 27(3.8,3.575) 28(3.8,4.225)
  silkscreen extent -2.56,-4.55 2.56,4.55
TAN-A [mil]
  rect 50x60 smd: 1(55,0) 2(-55,0)
  silkscreen extent -95,-45 105,45
TP [mil]
  round 60 hole 40: 1(0,0)
  silkscreen extent -45,-45 45,45
TS_PAD [mm]
  round 10 smd: 1(0,0)
TSOP348 [mil]
  rect 50x50 hole 30: 1(0,0)
  round 50 hole 30: 2(100,-1) 3(200,1)
  silkscreen extent -47,-155 248,72
USB-B [mil]
  round 120 hole 95: 0(-291,-185) 0(189,-185)
  round 50 hole 30: 1(0,0) 2(-98,0) 3(-98,-80) 4(0,-80)
  silkscreen extent -365,-591 263,57
VSSOP8 [mm]
  rect 0.5x0.25 smd: 1(-1.5,0.75) 2(-1.5,0.25) 3(-1.5,-0.25) 4(-1.5,-0.75) 5(1.5,-0.75) 6(1.5,-0.25) 7(1.5,0.25) 8(1.5,0.75)
  silkscreen extent -1.09,-1 1.09,1
XTAL_socket [mil]
  round 80 hole 53: 1(100,0) 2(-100,0)
  silkscreen extent -215,-89 214,89

## Free pads (board coordinates)
  round 137.8 hole 137.8 unplated: 0(200,225) 0(200,6575) 0(4250,225) 0(4250,6575)
  round 137.79 hole 137.79 unplated: 0(1691.34,5400) 0(3108.66,5400)

## Via types
v1: diameter 16, hole 8, TopLayer to BottomLayer, tented both sides, 770 vias
v2: diameter 16, hole 8, TopLayer to BottomLayer, 26 vias
v3: diameter 25, hole 16, TopLayer to BottomLayer, tented both sides, 17 vias
v4: diameter 50, hole 28, TopLayer to BottomLayer, tented both sides, 4 vias